# Allegro board 1156197-TDI_VU3P_QSFP28_CXP_V001_1023A-166-20241121_1644_PCB.brd (continued)
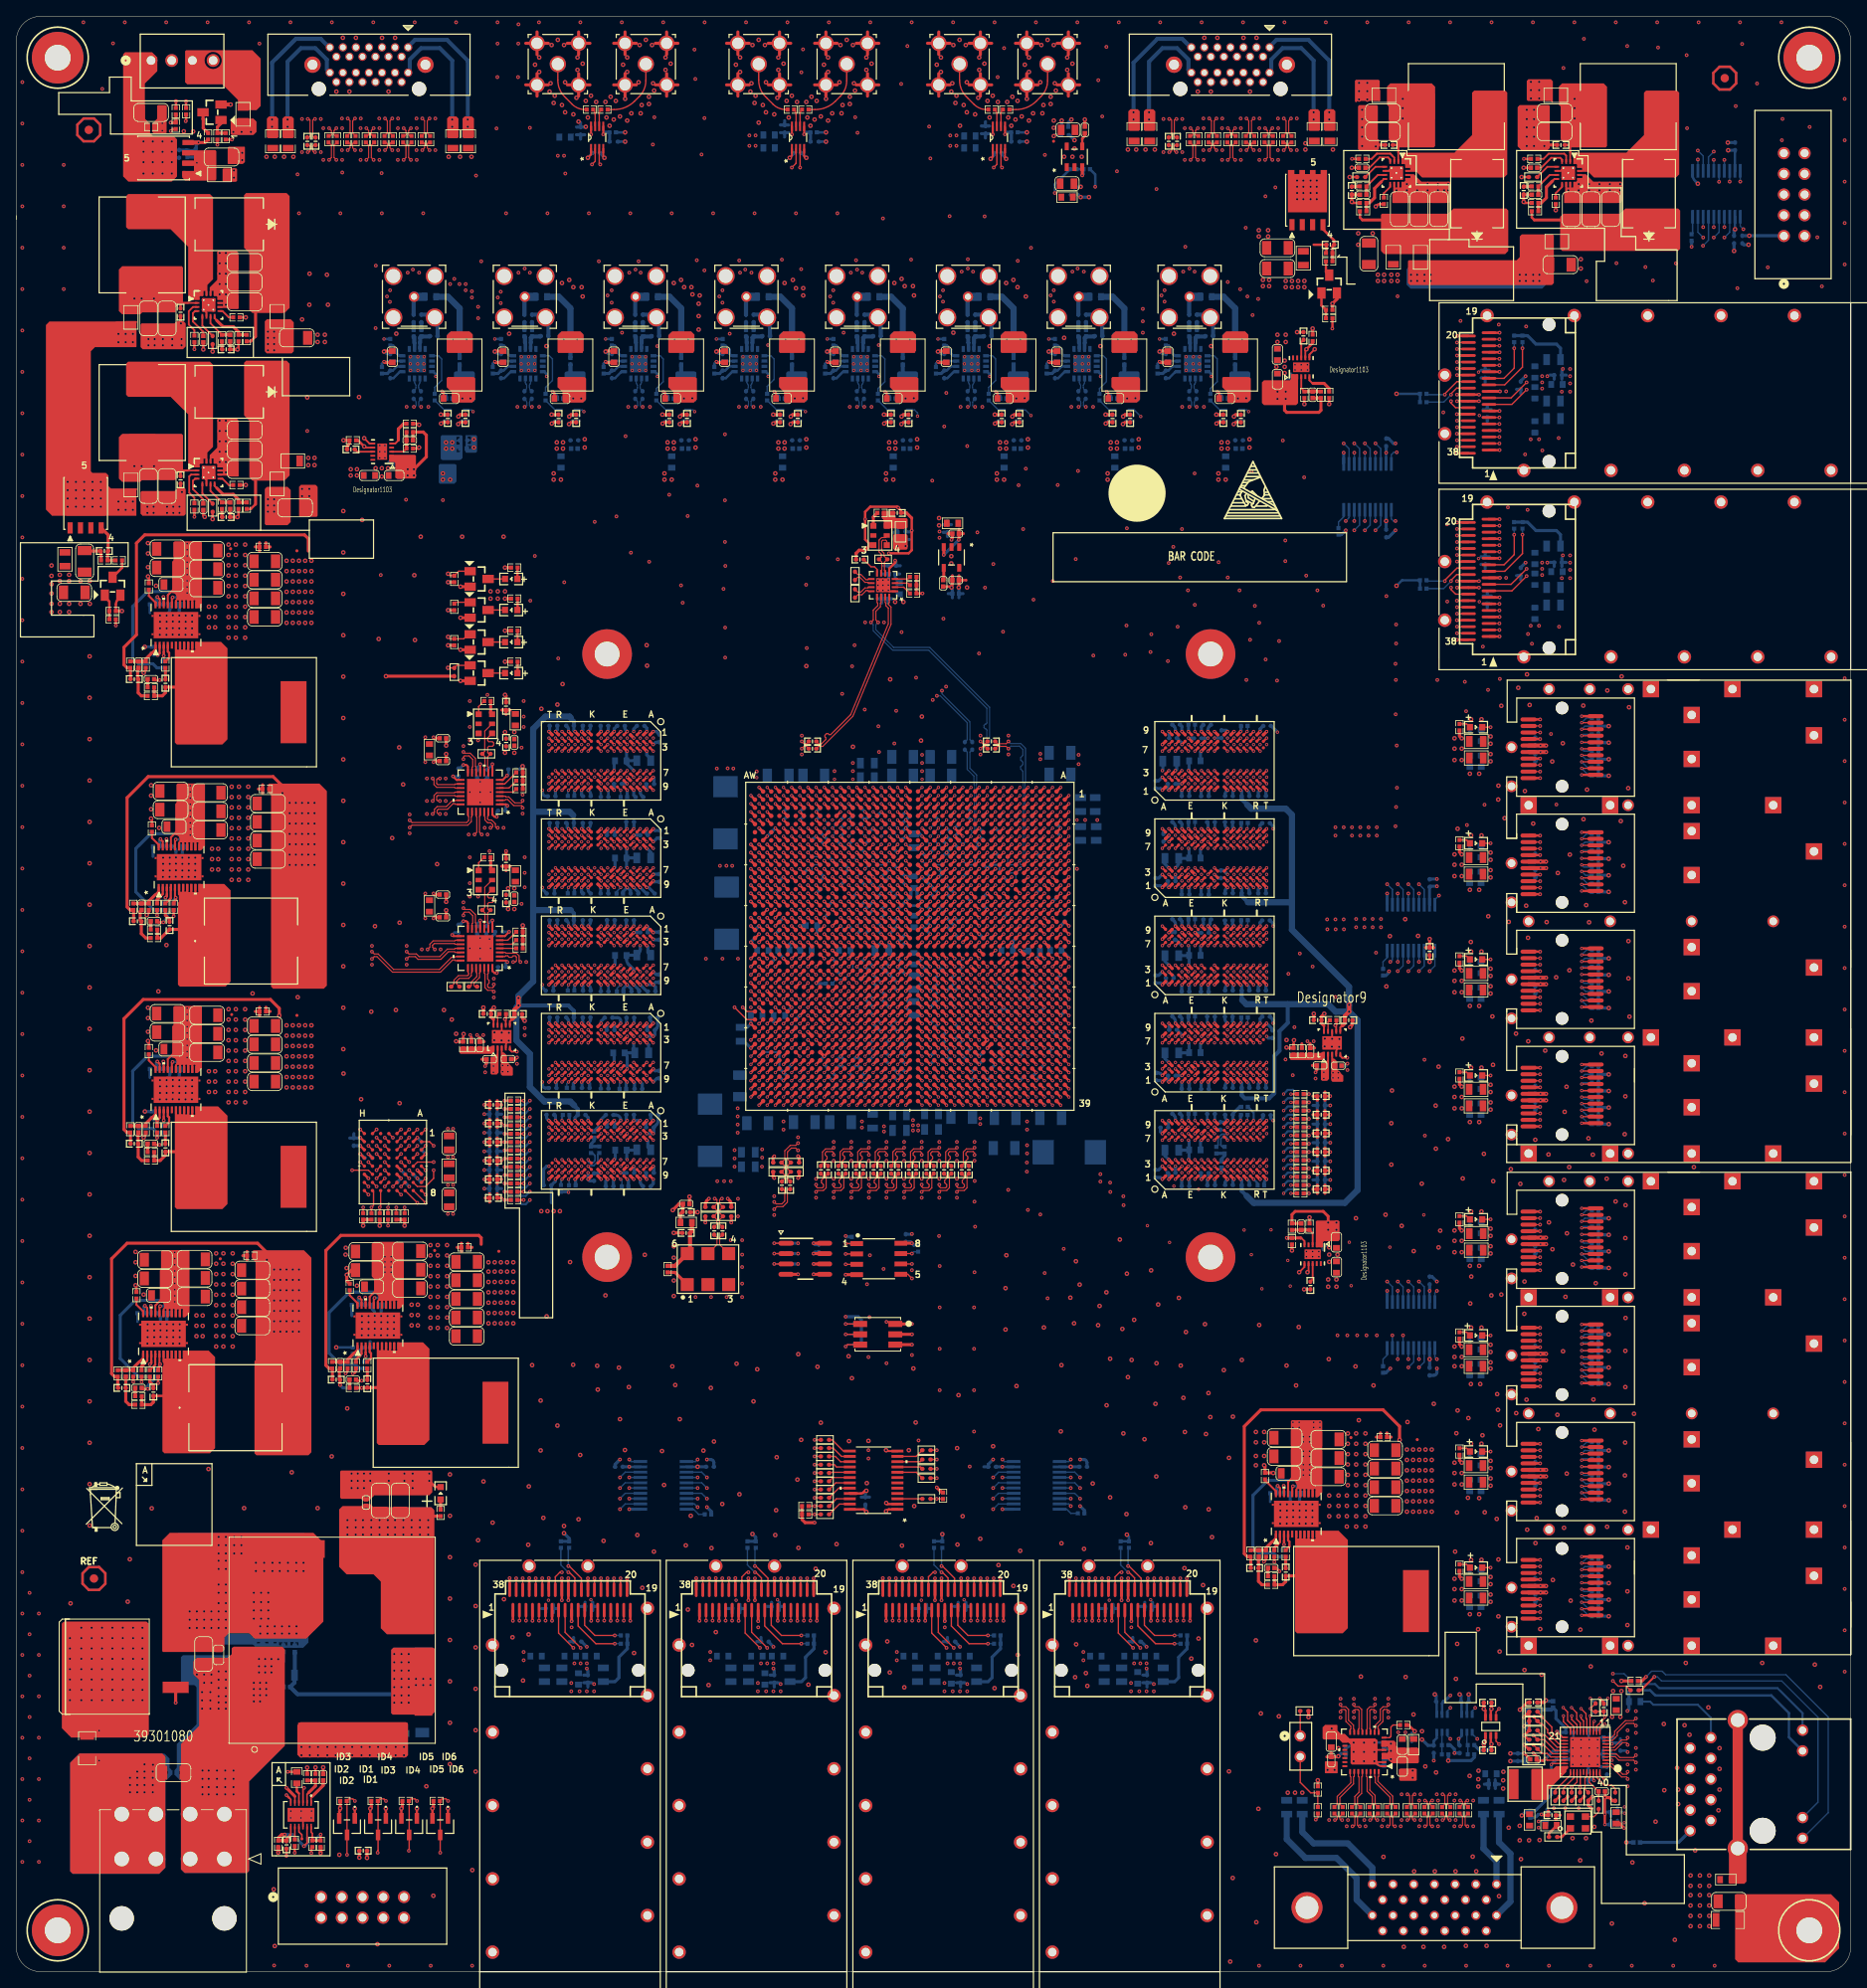
[diagram p0: board, top side]
## Copper pours and planes (outline as drawn; the poured copper is in the pictures) (continued)
GND on TOP: 162.41,110.95 162.94,110.41 163.42,110.41 163.58,110.57 163.58,111.68 163.53,111.73 162.56,111.73 162.41,111.58
GND on TOP: 57.81,110.06 56.77,110.06 56.72,110.11 56.72,112.22 56.77,112.27 57.84,112.27 57.89,112.22 57.89,110.13
GND on TOP: 48.16,196.22 50.19,196.22 50.45,196.47 50.45,198.6 50.27,198.78 48.11,198.78 48.03,198.71 48.03,196.34
GND on TOP: 135.97,225.17 140.03,225.17 140.16,225.04 140.16,223.39 140.03,223.27 135.97,223.27 135.84,223.39 135.84,225.04
GND on TOP: 52.07,94.23 53.85,94.23 53.98,94.11 53.98,92.71 53.85,92.58 52.07,92.58 51.94,92.71 51.94,94.11
GND on TOP: 155.3,66.57 155.57,66.29 155.57,60.58 155.45,60.45 153.92,60.45 153.8,60.58 153.8,61.65 153.59,61.85 151.89,61.85 151.64,62.1 151.64,66.42 151.79,66.57
GND on TOP: 209.23,5.14 209.3,5.21 209.3,11.94 209.04,12.19 204.6,12.19 204.34,11.94 204.34,5.21 204.41,5.14
GND on TOP: 15.84,114.15 15.84,118.49 15.99,118.64 18.44,118.64 18.59,118.49 18.59,112.85 18.03,112.29 17.02,112.29 16.89,112.42 16.89,113.79 16.71,113.97 16.02,113.97
GND on TOP: 158.62,197.49 156.18,197.49 155.91,197.76 155.91,198.04 155.75,198.2 154.38,198.2 154.31,198.12 154.31,195.83 154.43,195.71 155.83,195.71 155.93,195.81 155.93,196.24 156.03,196.34 157.86,196.34 157.99,196.22 157.99,195.5 158.01,195.48 158.19,195.48 158.24,195.53 158.24,196.24 158.34,196.34 158.62,196.34 158.7,196.42 158.7,197.41
GND on TOP: 52.07,101.98 51.94,102.11 51.94,103.5 52.07,103.63 53.85,103.63 53.98,103.5 53.98,102.11 53.85,101.98
GND on TOP: 0.51,13.33 0.51,227.08 0.95,227.52 5.27,227.52 6.35,226.44 6.35,206.63 5.59,205.87 2.67,205.87 1.78,204.98 1.78,164.97 2.54,164.21 9.78,164.21 10.48,163.51 10.48,53.91 3.05,46.48 3.05,13.34 2.79,13.08 0.76,13.08
GND on TOP: 75.34,196.22 77.37,196.22 77.62,196.47 77.62,198.6 77.45,198.78 75.29,198.78 75.21,198.71 75.21,196.34
GND on TOP: 154.16,54.58 154.02,54.72 154.02,57.65 154.16,57.78 160.19,57.78 160.78,58.38 160.78,66.24 160.98,66.45 167.36,66.45 167.51,66.29 167.51,65.28 167.13,64.9 167.13,54.66 166.8,54.33 163.07,54.33 162.81,54.58
GND on TOP: 157.99,87.5 160.43,87.5 160.71,87.22 160.71,86.94 160.86,86.79 162.23,86.79 162.31,86.87 162.31,89.15 162.18,89.28 160.78,89.28 160.68,89.18 160.68,88.75 160.58,88.65 158.75,88.65 158.62,88.77 158.62,89.48 158.6,89.51 158.42,89.51 158.37,89.46 158.37,88.75 158.27,88.65 157.99,88.65 157.91,88.57 157.91,87.58
GND on TOP: 169.49,28.12 170.38,28.12 170.64,28.37 170.64,29.64 170.51,29.77 169.37,29.77 169.24,29.64 169.24,28.37
GND on TOP: 57.53,221.62 57.53,237.74 56.77,238.51 8.64,238.51 8,239.14 8,239.36 8.13,239.49 213.87,239.49 214.87,238.49 214.87,229.35 213.23,227.71 213.23,206.76 212.47,205.99 195.07,205.99 194.69,206.38 194.69,209.55 195.33,210.19 204.85,210.19 205.99,211.33 205.99,212.34 205.23,213.11 205.23,234.06 203.84,235.46 162.69,235.46 162.31,235.84 162.31,238 161.54,238.76 136.4,238.76 135.38,237.74 135.38,229.62 134.49,228.73 126.75,228.73 125.6,227.58 125.6,216.28 126.11,215.77 132.46,215.77 133.48,216.79 133.48,220.73 134.11,221.36 148.08,221.36 148.97,220.47 148.97,211.2 148.34,210.57 45.09,210.57 44.45,209.93 44.45,203.33 43.81,202.69 36.07,202.69 35.43,203.33 35.43,219.84 36.7,221.11 57.02,221.11
GND on TOP, BOTTOM: 60.43,112.39 60.43,111.84 61.16,111.1 61.7,111.1 61.72,111.12 61.72,112.45 61.67,112.5 60.53,112.5
GND on TOP, BOTTOM: 58.34,106.93 58.34,94.41 58.14,94.21 56.74,94.21 56.62,94.34 56.62,106.91 56.69,106.98 58.29,106.98
GND on BOTTOM: 68.2,36.32 68.2,39.12 68.33,39.24 70.23,39.24 70.36,39.12 70.36,36.32 70.23,36.2 68.33,36.2
GND on BOTTOM: 68.58,188.47 68.58,186.56 68.71,186.44 69.98,186.44 70.1,186.56 70.1,188.47 69.98,188.59 68.71,188.59 ; 3 cut-outs
GND on BOTTOM: 180.32,79.24 180.19,79.36 177.72,79.36 177.6,79.24 177.6,77.36 177.85,77.11 178.79,77.11 179.04,77.36 180.14,77.36 180.32,77.55 ; 2 cut-outs
GND on BOTTOM: 179.15,196.08 179.41,196.08 179.66,196.34 180.8,196.34 180.93,196.46 180.93,197.23 180.8,197.35 179.15,197.35 179.03,197.23 179.03,196.21
GND on BOTTOM: 169.37,29.9 170.51,29.9 170.64,29.77 170.64,28.5 170.51,28.37 169.37,28.37 169.24,28.5 169.24,29.77
GND on BOTTOM: 194.72,20.1 195.73,20.1 195.86,19.97 195.86,17.81 195.73,17.68 194.72,17.68 194.59,17.81 194.59,19.97
GND on BOTTOM: 93.47,108.58 93.34,108.71 91.82,108.71 91.57,108.46 91.57,103 91.82,102.74 93.34,102.74 93.47,102.87
GND on BOTTOM: 91.08,36.32 91.08,39.12 91.21,39.24 93.12,39.24 93.24,39.12 93.24,36.32 93.12,36.2 91.21,36.2
GND on BOTTOM: 133.48,138.18 133.1,137.79 126.87,137.79 126.75,137.92 126.75,138.81 126.87,138.94 129.54,138.94 129.92,139.32 133.35,139.32 133.48,139.19
GND on BOTTOM: 188.68,194.05 185.88,194.05 185.76,194.18 185.76,196.08 185.88,196.21 188.68,196.21 188.8,196.08 188.8,194.18
GND on BOTTOM: 63.37,39.5 63.37,37.97 63.25,37.85 61.98,37.85 61.85,37.97 61.85,39.5 61.98,39.62 63.25,39.62
GND on BOTTOM: 188.68,171.17 185.88,171.17 185.76,171.29 185.76,173.2 185.88,173.33 188.68,173.33 188.8,173.2 188.8,171.29
GND on BOTTOM: 136.86,36.32 136.86,39.12 136.98,39.24 138.89,39.24 139.01,39.12 139.01,36.32 138.89,36.2 136.98,36.2
GND on BOTTOM: 113.54,144.02 113.67,143.89 116.33,143.89 116.46,144.02 116.46,146.05 115.7,146.81 115.7,149.86 115.44,150.11 113.67,150.11 113.54,149.99
GND on BOTTOM: 132.03,39.5 132.03,37.97 131.9,37.85 130.63,37.85 130.51,37.97 130.51,39.5 130.63,39.62 131.9,39.62
GND on BOTTOM: 177.78,59.4 180.09,59.4 180.32,59.16 180.32,57.87 180.19,57.75 177.78,57.75 177.65,57.87 177.65,59.27
GND on BOTTOM: 122.94,188.47 122.94,186.56 123.06,186.44 124.33,186.44 124.46,186.56 124.46,188.47 124.33,188.59 123.06,188.59 ; 3 cut-outs
GND on BOTTOM: 84.84,131.44 89.28,131.44 89.66,131.83 89.66,137.41 90.04,137.79 90.17,137.79 90.55,138.18 90.55,141.6 90.36,141.8 84.77,141.8 84.33,141.35 84.33,131.95
GND on BOTTOM: 112.9,108.71 114.17,108.71 114.43,108.46 114.43,106.43 115.06,105.79 115.06,102.36 114.91,102.21 114.91,101.83 114.81,101.73 112.9,101.73 112.65,101.98 112.65,108.46
GND on BOTTOM: 109.14,39.5 109.14,37.97 109.02,37.85 107.75,37.85 107.62,37.97 107.62,39.5 107.75,39.62 109.02,39.62
GND on BOTTOM: 88.16,45.97 88.37,45.77 88.37,45.54 88.04,45.21 88.04,43.94 87.91,43.81 87.02,43.81 86.89,43.94 86.89,45.85 87.02,45.97
GND on BOTTOM: 177.78,87.9 180.09,87.9 180.32,87.66 180.32,86.37 180.19,86.25 177.78,86.25 177.65,86.37 177.65,87.77
GND on BOTTOM: 99.44,108.08 99.44,108.33 99.19,108.58 96.65,108.58 96.52,108.46 96.52,106.3 97.28,105.54 97.28,103.25 97.41,103.12 100.33,103.12 100.58,103.38 100.58,105.41 101.47,106.3 101.47,107.7 101.22,107.95 99.57,107.95
GND on BOTTOM: 162.28,111.63 162.28,111.07 163.02,110.34 163.55,110.34 163.58,110.36 163.58,111.68 163.53,111.73 162.38,111.73
GND on BOTTOM: 177.78,73.65 180.09,73.65 180.32,73.41 180.32,72.01 180.07,71.75 177.91,71.75 177.65,72.01 177.65,73.52
GND on BOTTOM: 138.89,45.85 138.89,45.59 139.14,45.34 139.14,44.2 139.27,44.07 140.03,44.07 140.16,44.2 140.16,45.85 140.03,45.97 139.01,45.97
GND on BOTTOM: 113.97,36.32 113.97,39.12 114.1,39.24 116,39.24 116.13,39.12 116.13,36.32 116,36.2 114.1,36.2
GND on BOTTOM: 93.12,45.85 93.12,45.59 93.37,45.34 93.37,44.2 93.5,44.07 94.26,44.07 94.39,44.2 94.39,45.85 94.26,45.97 93.24,45.97
GND on BOTTOM: 82.93,101.47 82.55,101.09 82.55,98.3 82.8,98.04 89.28,98.04 89.41,98.17 89.41,101.35 89.28,101.47
GND on BOTTOM: 116.05,45.54 116.26,45.34 116.26,44.2 116.38,44.07 117.14,44.07 117.27,44.2 117.27,45.85 117.14,45.97 116.2,45.97 116.05,45.82
GND on BOTTOM: 111.05,45.97 111.25,45.77 111.25,45.54 110.92,45.21 110.92,43.94 110.79,43.81 109.91,43.81 109.78,43.94 109.78,45.85 109.91,45.97
GND on BOTTOM: 160.27,108.08 160.43,108.23 161.82,108.23 161.95,108.1 161.95,95.28 161.8,95.12 160.4,95.12 160.27,95.25
GND on BOTTOM: 185.5,166.34 187.03,166.34 187.15,166.21 187.15,164.94 187.03,164.82 185.5,164.82 185.38,164.94 185.38,166.21
GND on BOTTOM: 180.32,111.14 180.19,111.27 177.72,111.27 177.6,111.15 177.6,109.27 177.85,109.01 178.79,109.01 179.04,109.27 180.14,109.27 180.32,109.45 ; 2 cut-outs
GND on BOTTOM: 179.03,168.25 179.13,168.35 179.55,168.35 179.79,168.12 181.06,168.12 181.18,167.99 181.18,167.1 181.06,166.98 179.15,166.98 179.03,167.1
GND on BOTTOM: 179.03,191.13 179.11,191.21 179.58,191.21 179.79,191 181.06,191 181.18,190.88 181.18,189.99 181.06,189.86 179.15,189.86 179.03,189.99
GND on BOTTOM: 57.81,110.31 57.63,110.13 56.92,110.13 56.87,110.19 56.87,112.22 56.97,112.32 57.66,112.32 57.81,112.17
GND on BOTTOM: 180.32,50.74 180.19,50.86 177.72,50.86 177.6,50.74 177.6,48.86 177.85,48.61 178.79,48.61 179.04,48.86 180.14,48.86 180.32,49.05 ; 2 cut-outs
GND on BOTTOM: 188.24,19.21 188.11,19.08 186.59,19.08 186.46,19.21 186.46,20.19 186.59,20.32 193.85,20.32 194.06,20.12 194.06,19.61 193.37,18.92 188.52,18.92
GND on BOTTOM: 104.9,108.71 107.44,108.71 107.7,108.46 107.7,106.17 107.95,105.92 107.95,104.65 107.7,104.39 104.9,104.39 104.65,104.65 104.65,108.46
GND on BOTTOM: 109.35,188.47 109.35,186.56 109.47,186.44 110.74,186.44 110.87,186.56 110.87,188.47 110.74,188.59 109.47,188.59 ; 3 cut-outs
GND on BOTTOM: 127.89,143.76 127.76,143.89 127.76,145.67 127.89,145.8 128.27,145.8 128.52,146.05 128.52,150.5 128.78,150.75 132.84,150.75 133.22,150.37 133.22,144.02 132.97,143.76
GND on BOTTOM: 177.78,119.8 180.09,119.8 180.32,119.57 180.32,118.28 180.19,118.15 177.78,118.15 177.65,118.28 177.65,119.68
GND on BOTTOM: 86.26,39.5 86.26,37.97 86.13,37.85 84.86,37.85 84.73,37.97 84.73,39.5 84.86,39.62 86.13,39.62
GND on BOTTOM: 157.86,87 157.86,89.15 157.99,89.28 162.43,89.28 162.56,89.15 162.56,87 162.43,86.87 157.99,86.87
GND on BOTTOM: 180.32,139.64 180.19,139.77 177.72,139.77 177.6,139.65 177.6,137.77 177.85,137.52 178.79,137.52 179.04,137.77 180.14,137.77 180.32,137.95 ; 2 cut-outs
GND on BOTTOM: 180.32,64.99 180.19,65.11 177.72,65.11 177.6,64.99 177.6,63.11 177.85,62.86 178.79,62.86 179.04,63.11 180.14,63.11 180.32,63.29 ; 2 cut-outs
GND on BOTTOM: 179.15,173.2 179.41,173.2 179.66,173.45 180.8,173.45 180.93,173.58 180.93,174.34 180.8,174.47 179.15,174.47 179.03,174.34 179.03,173.33
GND on BOTTOM: 163.78,28.75 166.95,28.75 167.08,28.63 167.08,25.2 166.95,25.07 163.78,25.07 163.65,25.2 163.65,28.63
GND on BOTTOM: 150.11,188.47 150.11,186.56 150.24,186.44 151.51,186.44 151.64,186.56 151.64,188.47 151.51,188.59 150.24,188.59 ; 3 cut-outs
GND on BOTTOM: 93.85,148.08 93.6,147.83 93.6,144.15 93.85,143.89 97.41,143.89 97.54,144.02 97.54,147.83 97.28,148.08
GND on BOTTOM: 159.74,111.56 159.74,109.42 159.69,109.37 158.78,109.37 158.72,109.42 158.72,111.58 158.78,111.63 159.66,111.63
GND on BOTTOM: 177.78,105.56 180.09,105.56 180.32,105.32 180.32,104.03 180.19,103.9 177.78,103.9 177.65,104.03 177.65,105.43
GND on BOTTOM: 180.32,93.49 180.19,93.61 177.72,93.61 177.6,93.49 177.6,91.61 177.85,91.36 178.79,91.36 179.04,91.61 180.14,91.61 180.32,91.8 ; 2 cut-outs
GND on BOTTOM: 177.78,134.06 180.09,134.06 180.32,133.82 180.32,132.53 180.19,132.41 177.78,132.41 177.65,132.53 177.65,133.93
GND on BOTTOM: 31.62,0.51 31.11,1.02 31.11,10.16 31.75,10.79 37.47,10.79 39.15,12.48 39.15,25.36 38.23,26.29 34.8,26.29 34.54,26.54 34.54,30.35 34.8,30.61 52.2,30.61 52.83,31.24 52.83,40.51 52.07,41.27 40.51,41.27 39.24,42.55 39.24,51.44 39.62,51.82 52.2,51.82 52.83,52.45 52.83,65.41 52.32,65.91 12.83,65.91 8.51,70.23 8.51,174.62 11.05,177.16 11.05,184.02 9.78,185.29 9.78,207.9 13.34,211.46 35.94,211.46 36.7,212.22 149.48,212.22 149.48,212.34 153.92,207.9 153.92,205.74 154.69,204.98 159,204.98 160.27,206.25 160.27,218.69 158.24,220.73 135,220.73 133.35,222.38 128.27,222.38 126.36,220.47 29.59,220.47 28.07,218.95 3.56,218.95 1.02,216.41 1.02,58.55 2.29,57.28 37.34,57.28 37.47,57.15 37.47,55.88 37.21,55.63 16.76,55.63 16,54.86 16,44.83 15.49,44.32 4.95,44.32 3.81,43.18 3.81,13.59 3.17,12.95 0.76,12.95 0.51,13.21 0.51,232.03 0.64,232.16 1.27,232.16 1.91,231.52 6.6,231.52 7.87,232.79 7.87,239.24 8.13,239.49 222,239.49 223.76,238.76 224.49,237 224.49,3 223.76,1.24 222,0.51 187.33,0.51 187.32,0.51 ; 27 cut-outs
GND on BOTTOM: 177.78,148.31 180.09,148.31 180.32,148.07 180.32,146.78 180.19,146.66 177.78,146.66 177.65,146.78 177.65,148.18
GND on BOTTOM: 136.53,188.47 136.53,186.56 136.65,186.44 137.92,186.44 138.05,186.56 138.05,188.47 137.92,188.59 136.65,188.59 ; 3 cut-outs
GND on BOTTOM: 158.75,197.99 158.75,195.58 158.5,195.33 155.7,195.33 155.32,195.71 154.18,195.71 154.05,195.83 154.05,197.99 154.18,198.12 158.62,198.12
GND on BOTTOM: 87.76,110.74 90.17,110.74 90.42,110.49 90.42,108.97 90.3,108.84 87.63,108.84 87.5,108.97 87.5,110.49
GND on BOTTOM: 82.17,188.47 82.17,186.56 82.3,186.44 83.57,186.44 83.69,186.56 83.69,188.47 83.57,188.59 82.3,188.59 ; 3 cut-outs
GND on BOTTOM: 155.22,24.33 158.55,24.33 158.75,24.13 158.75,20.78 158.62,20.65 155.09,20.65 154.69,21.06 154.69,23.8
GND on BOTTOM: 133.93,45.97 134.14,45.77 134.14,45.54 133.81,45.21 133.81,43.94 133.68,43.81 132.79,43.81 132.66,43.94 132.66,45.85 132.79,45.97
GND on BOTTOM: 95.76,188.47 95.76,186.56 95.89,186.44 97.16,186.44 97.28,186.56 97.28,188.47 97.16,188.59 95.89,188.59 ; 3 cut-outs
GND on BOTTOM: 180.32,125.39 180.19,125.52 177.72,125.52 177.6,125.4 177.6,123.52 177.85,123.26 178.79,123.26 179.04,123.52 180.14,123.52 180.32,123.7 ; 2 cut-outs
GND on BOTTOM: 180.32,153.89 180.19,154.02 177.72,154.02 177.6,153.9 177.6,152.02 177.85,151.76 178.79,151.76 179.04,152.02 180.14,152.02 180.32,152.2 ; 2 cut-outs
GND on BOTTOM: 180.49,25.05 180.62,24.92 180.62,23.78 180.87,23.53 180.87,21.74 181.18,21.44 182.75,21.44 182.78,21.41 182.78,20.7 182.73,20.65 178.82,20.65 177.98,19.81 170.05,19.81 169.54,20.32 169.54,21.97 170.69,23.11 170.69,24.89 171.32,25.53 173.61,25.53 174.09,25.05
GND on BOTTOM: 185.5,189.23 187.03,189.23 187.15,189.1 187.15,187.83 187.03,187.7 185.5,187.7 185.38,187.83 185.38,189.1
GND on BOTTOM: 65.28,45.97 65.48,45.77 65.48,45.54 65.15,45.21 65.15,43.94 65.02,43.81 64.14,43.81 64.01,43.94 64.01,45.85 64.14,45.97
GND on BOTTOM: 43.81,187.71 46.23,187.71 46.48,187.45 46.48,184.66 46.1,184.28 46.1,183.13 45.97,183.01 43.81,183.01 43.69,183.13 43.69,187.58
GND on BOTTOM: 177.93,45.15 180.09,45.15 180.32,44.91 180.32,43.62 180.19,43.5 177.78,43.5 177.65,43.62 177.65,44.88
GND on BOTTOM: 70.23,45.85 70.23,45.59 70.48,45.34 70.48,44.2 70.61,44.07 71.37,44.07 71.5,44.2 71.5,45.85 71.37,45.97 70.36,45.97
GND on BOTTOM: 190.65,28.73 193.65,28.73 194.13,29.22 194.84,29.22 194.95,29.11 194.95,25.76 194.33,25.15 190.78,25.15 190.53,25.4 190.53,28.61
GND on BOTTOM: 104.9,150.24 108.33,150.24 108.58,149.99 108.58,143.26 108.2,142.88 105.03,142.88 104.65,143.26 104.65,149.99
GND on GND02, GND04, GND06, GND08, GND11, GND13, GND15: 0.51,237 1.24,238.76 3,239.49 222,239.49 223.76,238.76 224.49,237 224.49,3 223.76,1.24 222,0.51 31.24,0.51 30.99,0.76 30.99,10.03 31.75,10.79 37.47,10.79 39.12,12.45 39.12,25.4 38.23,26.29 34.8,26.29 34.48,26.61 34.48,30.42 34.67,30.61 52.2,30.61 52.83,31.24 52.83,40.51 52.07,41.27 40.51,41.27 39.24,42.55 39.24,53.85 37.47,55.63 16.76,55.63 16,54.86 16,44.83 15.49,44.32 4.95,44.32 3.81,43.18 3.81,13.59 3.17,12.95 0.89,12.95 0.51,13.34
GND on ART03: 31.75,0.51 31.11,1.14 31.11,10.16 31.75,10.79 37.47,10.79 39.12,12.45 39.12,25.4 38.23,26.29 34.8,26.29 34.54,26.54 34.54,30.48 34.67,30.61 52.2,30.61 52.83,31.24 52.83,40.51 52.07,41.27 40.51,41.27 39.24,42.55 39.24,53.85 37.47,55.63 16.76,55.63 16,54.86 16,44.83 15.49,44.32 4.95,44.32 3.81,43.18 3.81,13.59 3.17,12.95 0.76,12.95 0.51,13.21 0.51,237 1.24,238.76 3,239.49 222,239.49 223.76,238.76 224.49,237 224.49,3 223.76,1.24 222,0.51 ; 4 cut-outs
GND on ART03: 55.14,125.3 55.14,126.92 55.6,127.38 55.6,131.19 53.9,132.89 53.9,135.28 55.42,136.8 55.42,145.85 55.75,146.18 57.28,146.18 57.91,145.54 57.91,141.48 58.29,141.1 59.69,141.1 62.28,138.51 62.28,125.04 61.85,124.61 57.81,124.61 57.71,124.51 55.93,124.51
GND on ART03: 65.07,97.59 64.67,97.99 64.67,102.84 64.95,103.12 70.43,103.12 71.22,103.91 71.22,105.26 72.58,106.62 87.31,106.62 88.01,105.92 88.01,102.33 88.49,101.85 88.49,99.39 80.85,99.39 79.04,97.59
GND on ART05: 161.39,57.81 161.62,58.04 161.62,59 162.43,59.82 162.43,76.58 160.66,78.36 141.73,78.36 137.16,82.93 136.61,82.93 136.61,82.93 130.12,82.93 129.69,83.36 126.34,83.36 125.91,82.93 89.76,82.93 89.26,83.44 80.19,83.44 79.68,82.93 64.94,82.93 64.52,82.93 61.59,80.01 61.18,80.01 60.96,80.06 60.74,80.01 60.41,80.01 60.2,80.06 59.98,80.01 59.65,80.01 59.44,80.06 59.22,80.01 58.89,80.01 58.67,80.06 58.46,80.01 58.13,80.01 57.91,80.06 57.7,80.01 56.13,80.01 54.74,78.61 50.8,78.61 50.67,78.74 50.67,88.48 50.67,88.52 49.15,90.04 41.81,90.04 41.3,90.55 38.73,90.55 31.75,97.54 31.75,116.41 32.03,116.69 32.59,116.69 32.89,116.99 32.89,117.73 32.61,118.01 32.13,118.01 31.75,118.39 31.75,121.62 31.75,121.67 26.67,126.75 26.67,133.2 27.03,133.55 27.03,145.75 26.67,146.1 26.67,175.39 28.75,177.47 28.75,203.45 35.49,210.19 147.96,210.19 151.76,206.38 153.29,206.38 154.69,204.98 162.18,204.98 165.74,208.53 165.74,223.39 163.19,225.93 131.44,225.93 130.81,226.57 128.65,226.57 128.02,225.93 68.33,225.93 64.26,230 50.37,230 50.28,230.06 50.3,230.17 49.41,232.37 48.51,230.17 48.53,230.06 48.44,230 38.07,230 37.98,230.06 38,230.17 37.11,232.37 36.21,230.17 36.23,230.06 36.14,230 20.92,230 20.82,230.01 20.71,230 19.73,230 19.72,230 19.58,230.02 19.44,230 19.44,230 3.43,230 1.02,227.58 1.02,57.28 3.17,55.12 4.11,55.12 4.11,55.12 14.99,55.12 16,54.1 16,44.83 15.49,44.32 4.95,44.32 3.81,43.18 3.81,13.72 3.05,12.95 0.76,12.95 0.51,13.21 0.51,55.45 0.51,131.37 0.51,131.79 0.51,236.98 0.51,237 1.24,238.76 3,239.49 222,239.49 223.76,238.76 224.49,237 224.49,3 223.76,1.24 222,0.51 31.75,0.51 30.99,1.27 30.99,10.03 31.75,10.79 37.47,10.79 39.12,12.45 39.12,25.4 38.23,26.29 34.81,26.29 34.48,26.62 34.48,30.42 34.67,30.61 52.2,30.61 52.83,31.24 52.83,50.93 53.09,51.18 59.49,51.18 74.42,66.12 111.51,66.12 111.63,65.99 111.63,65.28 111.38,65.02 104.78,65.02 104.14,64.39 104.14,62.87 104.39,62.61 117.09,62.61 117.31,62.4 117.31,61.68 110.46,54.84 110.46,51.49 110.16,51.18 107.29,51.18 106.55,51.92 106.55,55.42 98.91,63.07 98.91,65.18 98.36,65.72 97.09,65.72 91.44,60.07 91.44,56.26 90.17,54.99 82.17,54.99 79.5,57.66 77.6,57.66 76.45,58.8 76.45,62.74 75.69,63.5 73.41,63.5 64.9,54.99 64.9,49.15 65.53,48.51 65.53,43.81 66.04,43.31 66.04,40.01 67.06,38.99 69.34,38.99 69.72,39.37 69.72,40.26 69.34,40.64 69.34,50.55 71.63,52.83 71.63,53.47 72.01,53.85 76.71,53.85 80.64,49.91 80.64,46.74 83.19,44.2 83.19,42.55 83.06,42.42 77.22,42.42 76.83,42.04 72.9,42.04 72.64,41.78 72.64,39.75 72.9,39.5 76.2,39.5 78.11,37.59 82.8,37.59 84.71,39.5 87,39.5 88.9,37.59 94.11,37.59 94.87,38.35 94.87,41.27 93.22,42.93 93.22,47.88 92.33,48.77 92.33,50.42 94.61,52.7 94.61,59.94 95.38,60.71 95.89,60.71 96.01,60.58 96.01,52.45 98.42,50.04 98.42,47.75 97.28,46.61 97.28,44.45 96.39,43.56 96.27,43.56 96.14,43.43 96.14,42.16 95.63,41.66 95.63,39.88 96.01,39.5 98.42,39.5 99.95,41.02 99.95,43.81 99.44,44.32 99.44,44.96 100.71,46.23 100.71,50.8 98.42,53.09 98.42,55.5 99.06,56.13 99.82,56.13 103.25,52.7 103.25,46.1 100.71,43.56 100.71,36.83 104.39,33.15 116.33,33.15 117.22,34.04 117.22,34.29 123.57,40.64 130.68,40.64 133.35,37.97 140.97,37.97 143.13,40.13 143.13,41.53 142.75,41.91 140.84,41.91 140.08,41.15 138.43,41.15 137.79,41.78 137.79,55.37 137.54,55.63 135.89,55.63 135.64,55.88 135.64,57.4 136.04,57.81 ; 5 cut-outs
GND on ART05: 115.7,53.47 122.05,53.47 126.49,49.02 126.49,44.45 124.84,42.8 121.92,42.8 121.28,42.16 116.2,42.16 115.06,43.31 115.06,52.83
GND on ART07: 0.51,237 1.24,238.76 3,239.49 222,239.49 223.76,238.76 224.49,237 224.49,3 223.76,1.24 222,0.51 31.5,0.51 30.99,1.02 30.99,9.96 31.75,10.72 37.47,10.72 39.12,12.37 39.12,25.32 38.23,26.21 34.8,26.21 34.48,26.53 34.48,30.34 34.67,30.53 52.2,30.53 52.83,31.17 52.83,40.44 52.07,41.2 40.51,41.2 39.24,42.47 39.24,53.77 37.47,55.55 16.76,55.55 16,54.79 16,44.75 15.49,44.25 4.95,44.25 3.81,43.1 3.81,13.51 3.17,12.88 0.76,12.88 0.51,13.13 ; 8 cut-outs
GND on POWER09: 31.5,0.51 31.5,10.26 31.98,10.74 37.67,10.74 39.14,12.22 39.12,12.24 39.12,25.4 38.23,26.29 34.8,26.29 34.54,26.54 34.54,30.47 34.68,30.61 52.2,30.61 52.63,31.04 53.87,31.04 54.03,30.89 54.03,5.92 55.5,4.45 201.42,4.45 203.45,6.48 203.45,29.97 206.38,32.89 218.44,32.89 219.33,33.78 219.33,197.74 223.65,202.06 223.65,214.76 221.87,216.53 215.26,216.53 214.25,217.55 214.25,227.58 212.22,229.62 127.64,229.62 124.97,226.95 67.18,226.95 64.77,229.36 18.29,229.36 16.64,227.71 16.64,212.72 18.16,211.2 150.75,211.2 152.65,209.3 152.65,192.02 149.48,188.85 148.34,188.85 146.3,186.82 54.86,186.82 46.74,178.69 46.74,163.07 44.32,160.66 37.08,160.66 35.81,159.38 35.81,59.31 32,55.5 16.64,55.5 16,54.86 16,44.83 15.49,44.32 4.95,44.32 3.81,43.18 3.81,13.59 3.05,12.83 0.51,12.83 0.51,237 1.24,238.76 3,239.49 222,239.49 223.76,238.76 224.49,237 224.49,3 223.76,1.24 222,0.51
GND on POWER10: 0.89,12.95 0.51,13.33 0.51,54.48 1.02,54.99 1.02,54.99 15.37,54.99 16,54.36 16,44.83 15.49,44.32 4.95,44.32 3.81,43.18 3.81,13.59 3.17,12.95
GND on POWER10: 61.09,0.51 61.09,50.16 62.99,52.07 152.02,52.07 153.29,50.8 153.29,25.27 155.83,22.73 193.55,22.73 196.09,25.27 196.09,86.11 194.82,87.38 188.09,87.38 187.45,88.01 187.45,92.71 187.07,93.09 170.94,93.09 168.02,96.01 168.02,119.25 168.91,120.14 184.28,120.14 186.31,122.17 186.31,200.41 189.99,204.09 208.15,204.09 212.22,208.15 212.22,215.14 211.2,216.15 157.23,216.15 152.4,220.98 141.1,220.98 140.08,222 129.16,222 124.71,226.44 2.03,226.44 0.51,227.97 0.51,237 1.24,238.76 3,239.49 222,239.49 223.76,238.76 224.49,237 224.49,3 223.76,1.24 222,0.51
GND on POWER10: 147.96,209.42 151.89,205.49 151.89,196.09 151,195.2 45.59,195.2 44.07,196.72 44.07,208.66 44.83,209.42
GND on ART12: 152.88,68.43 167.89,68.43 169.93,66.4 169.93,56.26 170.31,55.88 173.86,55.88 174.12,55.63 174.12,29.67 176.73,27.05 176.73,24.41 176.15,23.83 173.48,23.83 171.02,26.29 161.42,26.29 159.92,27.79 159.92,29.77 160.3,30.15 163.63,30.15 164.67,29.11 168.94,29.11 170.41,30.58 170.41,35.53 166.47,39.47 161.67,39.47 161.57,39.37 158.37,39.37 156.44,41.3 156.44,44.17 156.46,44.2 156.46,44.93 152.43,48.97 152.43,55.37 153.67,56.62 153.67,60.96 152.53,62.1 152.53,68.07
GND on ART12: 31.11,0.51 31.11,10.16 31.75,10.79 37.47,10.79 39.12,12.45 39.12,25.4 38.23,26.29 34.8,26.29 34.48,26.6 34.48,30.42 34.67,30.61 52.2,30.61 52.83,31.24 52.83,40.51 52.07,41.27 40.51,41.27 39.24,42.55 39.24,53.85 37.47,55.63 16.76,55.63 16,54.86 16,44.83 15.49,44.32 4.95,44.32 3.81,43.18 3.81,13.72 3.05,12.95 0.51,12.95 0.51,237 1.24,238.76 3,239.49 222,239.49 223.76,238.76 224.49,237 224.49,3 223.76,1.24 222,0.51 ; 3 cut-outs
GND on ART12: 142.47,95.66 137.62,100.51 137.62,116.97 138.4,117.75 146.91,117.75 147.9,116.76 147.9,99.69 148.51,99.09 154.23,99.09 154.81,99.67 154.81,122.68 155.07,122.94 156.46,122.94 157.23,122.17 157.23,96.77 156.11,95.66
GND on ART14: 69.66,207.45 69.66,205.42 69.47,205.23 67.06,205.23 66.17,204.34 66.17,196.6 65.66,196.09 61.98,196.09 61.47,196.6 61.47,197.49 60.96,197.99 58.8,197.99 58.61,198.18 58.61,208.72 59.69,209.8 67.31,209.8
GND on ART14: 124.08,207.39 124.08,205.36 123.95,205.23 122.05,205.23 120.78,203.96 120.78,202.95 120.4,202.56 120.4,196.72 119.76,196.09 116.33,196.09 115.82,196.6 115.82,197.49 115.32,197.99 113.16,197.99 112.97,198.18 112.97,208.72 114.05,209.8 121.67,209.8
GND on ART14: 56.9,206.63 56.9,195.58 56.26,194.94 52.58,194.94 51.44,196.09 48.39,196.09 47.88,196.6 47.88,197.49 47.37,197.99 45.21,197.99 45.02,198.18 45.02,208.72 46.1,209.8 53.72,209.8
GND on ART14: 84.07,206.63 84.07,195.58 83.44,194.94 79.76,194.94 78.61,196.09 75.56,196.09 75.06,196.6 75.06,197.49 74.55,197.99 72.39,197.99 72.2,198.18 72.2,208.72 73.28,209.8 80.9,209.8
GND on ART14: 96.84,207.45 96.84,205.55 96.65,205.36 95.38,205.36 93.85,203.84 93.85,201.68 93.47,201.29 93.47,196.72 92.84,196.09 89.15,196.09 88.65,196.6 88.65,197.49 88.14,197.99 85.98,197.99 85.79,198.18 85.79,208.72 86.87,209.8 94.49,209.8
GND on ART14: 138.43,206.63 138.43,195.58 137.79,194.94 134.11,194.94 132.97,196.09 129.92,196.09 129.41,196.6 129.41,197.49 128.91,197.99 126.75,197.99 126.56,198.18 126.56,208.72 127.64,209.8 135.25,209.8
GND on ART14: 110.43,207.45 110.43,205.42 110.36,205.36 108.97,205.36 107.44,203.84 107.44,201.68 107.06,201.29 107.06,196.72 106.43,196.09 102.74,196.09 102.23,196.6 102.23,197.49 101.73,197.99 99.57,197.99 99.38,198.18 99.38,208.72 100.46,209.8 108.08,209.8
GND on ART14: 30.99,0.51 30.99,10.03 31.75,10.79 37.59,10.79 39.12,12.32 39.12,25.53 38.35,26.29 34.8,26.29 34.54,26.54 34.54,30.23 34.92,30.61 52.2,30.61 52.83,31.24 52.83,40.77 52.45,41.15 52.45,48.39 58.67,54.61 58.67,73.91 59.69,74.93 63.25,74.93 64.52,73.66 64.52,50.16 66.17,48.51 66.17,45.34 66.93,44.58 68.58,44.58 69.72,43.43 69.72,42.42 72.64,39.5 147.96,39.5 148.72,40.26 148.72,60.71 148.59,60.83 148.59,67.94 149.1,68.45 167.51,68.45 169.42,66.55 169.42,65.28 169.67,65.02 169.67,56.52 172.21,53.98 177.67,53.98 185.67,45.97 187.71,45.97 188.09,46.35 188.09,154.56 186.44,156.21 183.26,156.21 181.36,158.12 150.75,158.12 150.11,158.75 150.11,163.7 150.62,164.21 170.69,164.21 175.13,168.66 180.72,168.66 182.88,170.81 182.88,203.71 181.86,204.72 172.34,204.72 158.5,190.88 156.84,190.88 151,185.04 132.97,185.04 132.97,188.59 133.73,189.36 138.81,189.36 143,193.55 143,197.1 142.88,197.23 140.21,197.23 140.08,197.36 140.08,208.79 140.59,209.3 144.91,209.3 146.3,210.69 149.99,210.69 151.89,212.6 151.89,213.74 152.27,214.12 166.37,214.12 168.4,216.15 168.4,224.66 172.59,228.85 188.47,228.85 188.72,229.11 188.72,235.59 186.82,237.49 139.06,237.49 137.41,235.84 137.41,230.76 130.18,223.52 127.13,223.52 123.19,219.58 101.41,219.58 97.41,215.58 62.04,215.58 55.24,222.38 55.24,235.59 53.34,237.49 33.91,237.49 32.64,236.22 32.64,214.25 38.48,208.41 38.48,159.26 41.53,156.21 46.74,156.21 47.88,155.07 47.88,108.97 45.34,106.43 38.99,106.43 37.08,108.33 37.08,116.84 36.45,117.47 34.16,117.47 33.53,118.11 33.53,163.83 34.16,164.47 36.07,164.47 36.58,164.97 36.58,173.48 36.07,173.99 34.16,173.99 33.53,174.62 33.53,177.42 32.13,178.82 16.13,178.82 15.75,179.2 15.75,201.93 14.86,202.82 6.99,202.82 3.87,199.71 3.87,178.75 1.27,176.15 1.27,57.15 3.81,54.61 15.37,54.61 15.88,54.1 15.88,45.34 14.86,44.32 4.83,44.32 3.81,43.31 3.81,13.59 3.17,12.95 0.51,12.95 0.51,237 1.24,238.76 3,239.49 222,239.49 223.76,238.76 224.49,237 224.49,3 223.76,1.24 222,0.51 ; 2 cut-outs
GND on ART16: 31.24,0.51 31.24,10.16 31.75,10.67 37.59,10.67 38.1,11.18 51.69,11.18 56.13,15.62 56.13,40.13 56.64,40.64 135.64,40.64 137.16,42.16 137.16,65.53 138.37,66.74 166.18,66.74 168.91,64.01 168.91,56.01 170.69,54.23 175.77,54.23 179.07,50.93 179.07,45.21 181.23,43.05 188.72,43.05 189.61,43.94 189.61,89.79 188.72,90.68 186.31,90.68 184.15,92.84 180.34,92.84 179.71,92.2 179.71,89.28 177.29,86.87 169.67,86.87 168.91,87.63 168.91,93.22 166.37,95.76 160.66,95.76 160.27,96.14 160.27,108.58 160.78,109.09 164.34,109.09 165.23,109.98 179.45,109.98 179.83,109.6 183.64,109.6 184.78,108.46 184.78,103 185.29,102.49 190.37,102.49 191.13,103.25 191.13,117.86 188.09,120.9 188.09,154.81 186.44,156.46 186.44,191.13 184.91,192.66 181.36,192.66 180.59,191.9 175.9,191.9 173.23,189.23 147.19,189.23 146.69,189.74 146.69,193.73 145.82,194.59 47.9,194.59 47.12,193.8 47.12,183.13 46.74,182.75 39.75,182.75 39.5,183.01 39.5,192.15 43.94,196.6 43.94,210.31 44.83,211.2 121.41,211.2 123.32,213.11 130.81,213.11 133.86,216.15 133.86,218.69 132.97,219.58 132.21,219.58 131.7,219.07 131.7,218.82 132.46,218.06 132.46,217.04 130.68,215.26 121.28,215.26 120.14,214.12 41.4,214.12 38.99,211.71 38.99,198.12 36.7,195.83 36.7,178.94 35.81,178.05 23.62,178.05 23.24,178.44 23.24,182.12 23.37,182.25 23.37,186.56 22.23,187.71 9.53,187.71 5.46,183.64 5.46,180.72 4.57,179.83 0.89,179.83 0.51,180.21 0.51,237 1.24,238.76 3,239.49 222,239.49 223.76,238.76 224.49,237 224.49,3 223.76,1.24 222,0.51 ; 6 cut-outs
GND on GND17: 31.24,0.51 30.99,0.76 30.99,10.03 31.75,10.79 37.47,10.79 39.12,12.45 39.12,25.4 38.23,26.29 34.8,26.29 34.48,26.61 34.48,30.04 35.05,30.61 52.2,30.61 52.83,31.24 52.83,40.51 52.07,41.27 40.51,41.27 39.24,42.55 39.24,53.85 37.47,55.63 16.76,55.63 16,54.86 16,44.83 15.49,44.32 4.95,44.32 3.81,43.18 3.81,13.59 3.17,12.95 0.76,12.95 0.51,13.21 0.51,13.34 0.51,237 1.24,238.76 3,239.49 222,239.49 223.76,238.76 224.49,237 224.49,3 223.76,1.24 222,0.51
GND_EARTH on TOP (solid shape): 51.31,39.62 51.31,31.88 50.98,31.55 46.18,31.55 45.97,31.75 45.97,39.5 46.25,39.78 51.16,39.78
GND_EARTH on BOTTOM (solid shape): 51.31,39.52 51.31,31.88 50.99,31.56 46.16,31.56 45.97,31.75 45.97,39.5 46.25,39.78 51.05,39.78
GND_EARTH on GND13 (solid shape): 51.18,38.23 51.18,33.66 50.16,32.64 34.67,32.64 32.51,30.48 32.51,27.81 32,27.3 15.37,27.3 9.4,21.34 9.4,9.27 8.38,8.26 8.38,3.56 6.6,1.78 3.56,1.78 1.65,3.68 1.65,6.48 5.71,10.54 5.71,25.53 6.15,25.96 8.74,25.96 8.74,25.85 8.75,25.75 8.76,25.64 8.79,25.54 8.82,25.44 8.86,25.34 8.9,25.24 8.96,25.15 9.02,25.06 9.08,24.98 9.15,24.9 9.23,24.83 9.32,24.76 9.4,24.7 9.5,24.65 9.59,24.6 9.69,24.57 9.79,24.53 9.9,24.51 10,24.49 10.11,24.49 10.21,24.49 10.32,24.49 10.42,24.51 10.53,24.53 10.63,24.57 10.73,24.6 10.82,24.65 10.92,24.7 11,24.76 11.09,24.83 11.17,24.9 11.24,24.98 11.3,25.06 11.36,25.15 11.42,25.24 11.46,25.34 11.5,25.44 11.53,25.54 11.56,25.64 11.57,25.75 11.58,25.85 11.58,25.96 11.57,26.07 11.56,26.17 11.53,26.28 11.5,26.38 11.46,26.48 11.42,26.57 11.36,26.66 11.3,26.75 11.24,26.84 11.17,26.91 11.09,26.99 11,27.05 10.92,27.11 10.82,27.17 10.73,27.21 10.63,27.25 10.53,27.28 10.42,27.31 10.32,27.32 10.21,27.33 10.11,27.33 10,27.32 9.9,27.31 9.79,27.28 9.69,27.25 9.59,27.21 9.5,27.17 9.4,27.11 9.32,27.05 9.23,26.99 9.15,26.91 9.08,26.84 9.02,26.75 8.96,26.66 8.9,26.57 8.86,26.48 8.82,26.38 8.79,26.28 8.76,26.17 8.75,26.07 8.74,25.96 6.15,25.96 8.26,28.07 10.54,28.07 12.57,30.1 29.34,30.1 36.32,37.08 43.81,37.08 46.1,39.37 50.04,39.37
GND_EARTH on ART14 (solid shape): 51.18,38.23 51.18,33.66 50.16,32.64 34.67,32.64 32.51,30.48 32.51,27.81 32,27.3 15.37,27.3 9.4,21.34 9.4,9.27 8.38,8.26 8.38,3.56 6.6,1.78 3.56,1.78 1.65,3.68 1.65,6.48 5.71,10.54 5.71,25.53 6.15,25.96 8.74,25.96 8.74,25.85 8.75,25.75 8.76,25.64 8.79,25.54 8.82,25.44 8.86,25.34 8.9,25.24 8.96,25.15 9.02,25.06 9.08,24.98 9.15,24.9 9.23,24.83 9.32,24.76 9.4,24.7 9.5,24.65 9.59,24.6 9.69,24.57 9.79,24.53 9.9,24.51 10,24.49 10.11,24.49 10.21,24.49 10.32,24.49 10.42,24.51 10.53,24.53 10.63,24.57 10.73,24.6 10.82,24.65 10.92,24.7 11,24.76 11.09,24.83 11.17,24.9 11.24,24.98 11.3,25.06 11.36,25.15 11.42,25.24 11.46,25.34 11.5,25.44 11.53,25.54 11.56,25.64 11.57,25.75 11.58,25.85 11.58,25.96 11.57,26.07 11.56,26.17 11.53,26.28 11.5,26.38 11.46,26.48 11.42,26.57 11.36,26.66 11.3,26.75 11.24,26.84 11.17,26.91 11.09,26.99 11,27.05 10.92,27.11 10.82,27.17 10.73,27.21 10.63,27.25 10.53,27.28 10.42,27.31 10.32,27.32 10.21,27.33 10.11,27.33 10,27.32 9.9,27.31 9.79,27.28 9.69,27.25 9.59,27.21 9.5,27.17 9.4,27.11 9.32,27.05 9.23,26.99 9.15,26.91 9.08,26.84 9.02,26.75 8.96,26.66 8.9,26.57 8.86,26.48 8.82,26.38 8.79,26.28 8.76,26.17 8.75,26.07 8.74,25.96 6.15,25.96 8.26,28.07 10.54,28.07 12.57,30.1 29.34,30.1 36.32,37.08 43.81,37.08 46.1,39.37 50.04,39.37
GND_EARTH on GND15 (solid shape): 51.18,38.23 51.18,33.66 50.16,32.64 34.67,32.64 32.51,30.48 32.51,27.81 32,27.3 15.37,27.3 9.4,21.34 9.4,9.27 8.38,8.26 8.38,3.56 6.6,1.78 3.56,1.78 1.65,3.68 1.65,6.48 5.71,10.54 5.71,25.53 6.15,25.96 8.74,25.96 8.74,25.85 8.75,25.75 8.76,25.64 8.79,25.54 8.82,25.44 8.86,25.34 8.9,25.24 8.96,25.15 9.02,25.06 9.08,24.98 9.15,24.9 9.23,24.83 9.32,24.76 9.4,24.7 9.5,24.65 9.59,24.6 9.69,24.57 9.79,24.53 9.9,24.51 10,24.49 10.11,24.49 10.21,24.49 10.32,24.49 10.42,24.51 10.53,24.53 10.63,24.57 10.73,24.6 10.82,24.65 10.92,24.7 11,24.76 11.09,24.83 11.17,24.9 11.24,24.98 11.3,25.06 11.36,25.15 11.42,25.24 11.46,25.34 11.5,25.44 11.53,25.54 11.56,25.64 11.57,25.75 11.58,25.85 11.58,25.96 11.57,26.07 11.56,26.17 11.53,26.28 11.5,26.38 11.46,26.48 11.42,26.57 11.36,26.66 11.3,26.75 11.24,26.84 11.17,26.91 11.09,26.99 11,27.05 10.92,27.11 10.82,27.17 10.73,27.21 10.63,27.25 10.53,27.28 10.42,27.31 10.32,27.32 10.21,27.33 10.11,27.33 10,27.32 9.9,27.31 9.79,27.28 9.69,27.25 9.59,27.21 9.5,27.17 9.4,27.11 9.32,27.05 9.23,26.99 9.15,26.91 9.08,26.84 9.02,26.75 8.96,26.66 8.9,26.57 8.86,26.48 8.82,26.38 8.79,26.28 8.76,26.17 8.75,26.07 8.74,25.96 6.15,25.96 8.26,28.07 10.54,28.07 12.57,30.1 29.34,30.1 36.32,37.08 43.81,37.08 46.1,39.37 50.04,39.37
GND_EARTH on ART16 (solid shape): 51.18,38.23 51.18,33.66 50.16,32.64 34.67,32.64 32.51,30.48 32.51,27.81 32,27.3 15.37,27.3 9.4,21.34 9.4,9.27 8.38,8.26 8.38,3.56 6.6,1.78 3.56,1.78 1.65,3.68 1.65,6.48 5.71,10.54 5.71,23.24 5.72,23.25 5.72,25.53 6.15,25.96 8.74,25.96 8.74,25.85 8.75,25.75 8.76,25.64 8.79,25.54 8.82,25.44 8.86,25.34 8.9,25.24 8.96,25.15 9.02,25.06 9.08,24.98 9.15,24.9 9.23,24.83 9.32,24.76 9.4,24.7 9.5,24.65 9.59,24.6 9.69,24.57 9.79,24.53 9.9,24.51 10,24.49 10.11,24.49 10.21,24.49 10.32,24.49 10.42,24.51 10.53,24.53 10.63,24.57 10.73,24.6 10.82,24.65 10.92,24.7 11,24.76 11.09,24.83 11.17,24.9 11.24,24.98 11.3,25.06 11.36,25.15 11.42,25.24 11.46,25.34 11.5,25.44 11.53,25.54 11.56,25.64 11.57,25.75 11.58,25.85 11.58,25.96 11.57,26.07 11.56,26.17 11.53,26.28 11.5,26.38 11.46,26.48 11.42,26.57 11.36,26.66 11.3,26.75 11.24,26.84 11.17,26.91 11.09,26.99 11,27.05 10.92,27.11 10.82,27.17 10.73,27.21 10.63,27.25 10.53,27.28 10.42,27.31 10.32,27.32 10.21,27.33 10.11,27.33 10,27.32 9.9,27.31 9.79,27.28 9.69,27.25 9.59,27.21 9.5,27.17 9.4,27.11 9.32,27.05 9.23,26.99 9.15,26.91 9.08,26.84 9.02,26.75 8.96,26.66 8.9,26.57 8.86,26.48 8.82,26.38 8.79,26.28 8.76,26.17 8.75,26.07 8.74,25.96 6.15,25.96 8.26,28.07 10.54,28.07 12.57,30.1 29.34,30.1 36.32,37.08 43.81,37.08 46.1,39.37 50.04,39.37
GND_EARTH on GND17 (solid shape): 51.18,38.23 51.18,33.66 50.16,32.64 34.67,32.64 32.51,30.48 32.51,27.81 32,27.3 15.37,27.3 9.4,21.34 9.4,9.27 8.38,8.26 8.38,3.56 6.6,1.78 3.56,1.78 1.65,3.68 1.65,6.48 5.71,10.54 5.71,23.24 5.72,23.25 5.72,25.53 6.15,25.96 8.74,25.96 8.74,25.85 8.75,25.75 8.76,25.64 8.79,25.54 8.82,25.44 8.86,25.34 8.9,25.24 8.96,25.15 9.02,25.06 9.08,24.98 9.15,24.9 9.23,24.83 9.32,24.76 9.4,24.7 9.5,24.65 9.59,24.6 9.69,24.57 9.79,24.53 9.9,24.51 10,24.49 10.11,24.49 10.21,24.49 10.32,24.49 10.42,24.51 10.53,24.53 10.63,24.57 10.73,24.6 10.82,24.65 10.92,24.7 11,24.76 11.09,24.83 11.17,24.9 11.24,24.98 11.3,25.06 11.36,25.15 11.42,25.24 11.46,25.34 11.5,25.44 11.53,25.54 11.56,25.64 11.57,25.75 11.58,25.85 11.58,25.96 11.57,26.07 11.56,26.17 11.53,26.28 11.5,26.38 11.46,26.48 11.42,26.57 11.36,26.66 11.3,26.75 11.24,26.84 11.17,26.91 11.09,26.99 11,27.05 10.92,27.11 10.82,27.17 10.73,27.21 10.63,27.25 10.53,27.28 10.42,27.31 10.32,27.32 10.21,27.33 10.11,27.33 10,27.32 9.9,27.31 9.79,27.28 9.69,27.25 9.59,27.21 9.5,27.17 9.4,27.11 9.32,27.05 9.23,26.99 9.15,26.91 9.08,26.84 9.02,26.75 8.96,26.66 8.9,26.57 8.86,26.48 8.82,26.38 8.79,26.28 8.76,26.17 8.75,26.07 8.74,25.96 6.15,25.96 8.25,28.06 10.53,28.06 12.57,30.1 29.34,30.1 36.32,37.08 43.81,37.08 46.1,39.37 50.04,39.37
GND_FPGA_LAN on TOP (solid shape): 212.22,15.75 212.22,11.05 211.96,10.79 210.19,10.79 210.06,10.92 210.06,15.62 210.57,16.13 211.84,16.13
VCC1V8 on TOP (solid shape): 36.2,87.63 36.2,63.75 35.81,63.37 29.46,63.37 29.21,63.63 29.21,74.93 29.34,75.06 29.34,87.12 28.96,87.5 28.96,88.42 29.08,88.54 35.28,88.54
VCC1V8 on TOP: 157.23,197.87 157.15,197.79 156.29,197.79 156.21,197.87 156.21,198.5 155.96,198.75 154.43,198.75 154.31,198.88 154.31,201.04 154.43,201.17 156.97,201.17 157.23,200.91
VCC1V8 on TOP: 43.92,186.18 44.03,186.07 44.03,185.25 43.94,185.17 43.31,185.17 43.05,184.91 43.05,183.39 42.93,183.26 40.77,183.26 40.64,183.39 40.64,185.93 40.89,186.18
VCC1V8 on TOP: 53.85,97.79 53.98,97.66 53.98,95.12 53.85,95 52.2,95 51.94,95.25 51.94,97.66 52.07,97.79
VCC1V8 on BOTTOM: 109.47,128.52 109.6,128.65 110.62,128.65 110.74,128.52 110.74,126.11 110.87,125.98 121.03,125.98 121.16,125.86 121.16,124.97 121.67,124.46 121.67,121.79 121.54,121.67 119.89,121.67 119.63,121.41 119.63,119 119.38,118.75 118.87,118.75 118.62,118.49 118.62,117.98 118.36,117.73 115.7,117.73 115.57,117.86 115.57,119.76 115.82,120.02 116.33,120.02 116.59,120.27 116.59,124.59 116.46,124.71 109.73,124.71 109.47,124.97
VCC1V8 on BOTTOM: 90.3,101.47 91.57,101.47 91.82,101.22 91.82,98.04 91.69,97.92 90.3,97.92 90.17,98.04 90.17,101.35
VCC1V8 on BOTTOM: 107.95,104.01 108.08,103.89 108.08,102.62 107.95,102.49 104.52,102.49 104.39,102.62 104.39,103.89 104.52,104.01
VCC1V8 on BOTTOM: 154.31,201.17 154.31,199.01 154.43,198.88 155.96,198.88 156.08,199.01 156.08,201.17 155.96,201.29 154.43,201.29
VCC1V8 on BOTTOM: 40.64,183.26 42.8,183.26 42.93,183.39 42.93,184.91 42.8,185.04 40.64,185.04 40.51,184.91 40.51,183.39
VCC1V8 on POWER10: 38.61,5.33 38.23,5.71 38.23,10.41 39.5,11.68 39.5,20.57 40.64,21.72 51.56,21.72 53.59,23.75 53.59,53.34 50.67,56.26 3.68,56.26 1.52,58.42 1.52,224.16 2.73,225.36 26.04,225.36 26.35,225.04 29.72,225.04 30.04,225.36 124.08,225.36 128.21,221.23 139.32,221.23 140.59,219.96 152.27,219.96 156.97,215.26 210.82,215.26 211.46,214.63 211.46,209.55 207.01,205.1 188.59,205.1 185.29,201.8 185.29,123.19 184.07,121.97 168.33,121.97 167.77,122.53 167.77,171.96 155,184.72 56.2,184.72 52.45,180.97 27.94,180.97 25.65,178.69 25.65,99.95 28.57,97.03 53.72,97.03 56.64,94.11 76.33,94.11 80.48,98.26 80.48,114.72 89.71,123.95 93.34,123.95 93.94,124.55 94.58,124.55 95.28,123.85 99.19,123.85 99.44,124.1 99.44,124.71 99.69,124.97 100.58,124.97 101.73,126.11 103.38,126.11 103.5,126.24 103.5,126.49 104.19,127.18 104.19,137.49 103.63,138.05 102.87,138.05 102.74,138.18 102.74,138.94 103,139.19 115.44,139.19 115.7,138.94 115.7,125.86 116.08,125.48 119.25,125.48 119.63,125.09 119.63,124.59 121.34,122.89 128.27,122.89 129.79,121.36 129.79,94.36 131.7,92.46 185.67,92.46 186.44,91.69 186.44,86.11 186.69,85.85 194.31,85.85 194.69,85.47 194.69,25.65 193.68,24.64 158.5,24.64 154.94,28.19 154.94,51.31 152.65,53.59 61.98,53.59 60.07,51.69 60.07,7.37 58.04,5.33 ; 1 cut-out
VCC1V8 on ART14: 42.93,185.17 43.56,184.53 43.56,163.32 45.97,160.91 45.97,158.37 45.47,157.86 42.67,157.86 39.37,161.16 39.37,184.66 39.88,185.17
VCC1V8 on ART16: 110.74,138.94 118.24,138.94 118.62,138.56 118.62,136.14 118.36,135.89 110.62,135.89 110.49,136.02 110.49,138.68
VCC3V3 on TOP (solid shape): 109.32,176.31 109.32,174.66 109.19,174.54 107.67,174.54 107.54,174.66 107.54,176.31 107.67,176.44 109.19,176.44
VCC3V3 on TOP: 168.02,66.45 174.22,66.45 175.13,65.53 175.13,41.66 174.75,41.27 168.78,41.27 168.28,41.78 168.28,65.02 167.77,65.53 167.77,66.19
VCC3V3 on TOP: 51.31,150.24 51.44,150.37 51.44,151.76 51.31,151.89 49.91,151.89 49.78,151.76 49.78,150.37 49.91,150.24
VCC3V3 on TOP: 178.54,62.95 178.67,62.83 178.67,59.27 178.54,59.14 176.18,59.14 176.02,59.3 176.02,62.73 176.25,62.95
VCC3V3 on TOP: 171.02,28.24 172.67,28.24 172.8,28.37 172.8,29.64 172.67,29.77 171.02,29.77 170.89,29.64 170.89,28.37
VCC3V3 on TOP: 59.59,131.93 59.44,132.08 59.44,134.06 59.52,134.15 61.63,134.15 61.72,134.06 61.72,132.21 61.44,131.93 ; 3 cut-outs
VCC3V3 on TOP: 178.54,123.36 178.67,123.23 178.67,119.68 178.54,119.55 176.18,119.55 176.02,119.71 176.02,123.14 176.25,123.36
VCC3V3 on TOP: 114.45,177.27 114.45,178.66 114.33,178.79 112.93,178.79 112.8,178.66 112.8,177.27 112.93,177.14 114.33,177.14
VCC3V3 on TOP: 178.54,48.7 178.67,48.58 178.67,45.02 178.54,44.89 176.18,44.89 176.02,45.05 176.02,48.48 176.25,48.7
VCC3V3 on TOP: 178.54,151.86 178.67,151.74 178.67,148.18 178.54,148.05 176.18,148.05 176.02,148.21 176.02,151.64 176.25,151.86
VCC3V3 on TOP: 178.54,91.45 178.67,91.33 178.67,87.77 178.54,87.64 176.18,87.64 176.02,87.8 176.02,91.23 176.25,91.45